# KiCad board dueottosei.kicad_pcb (continued)
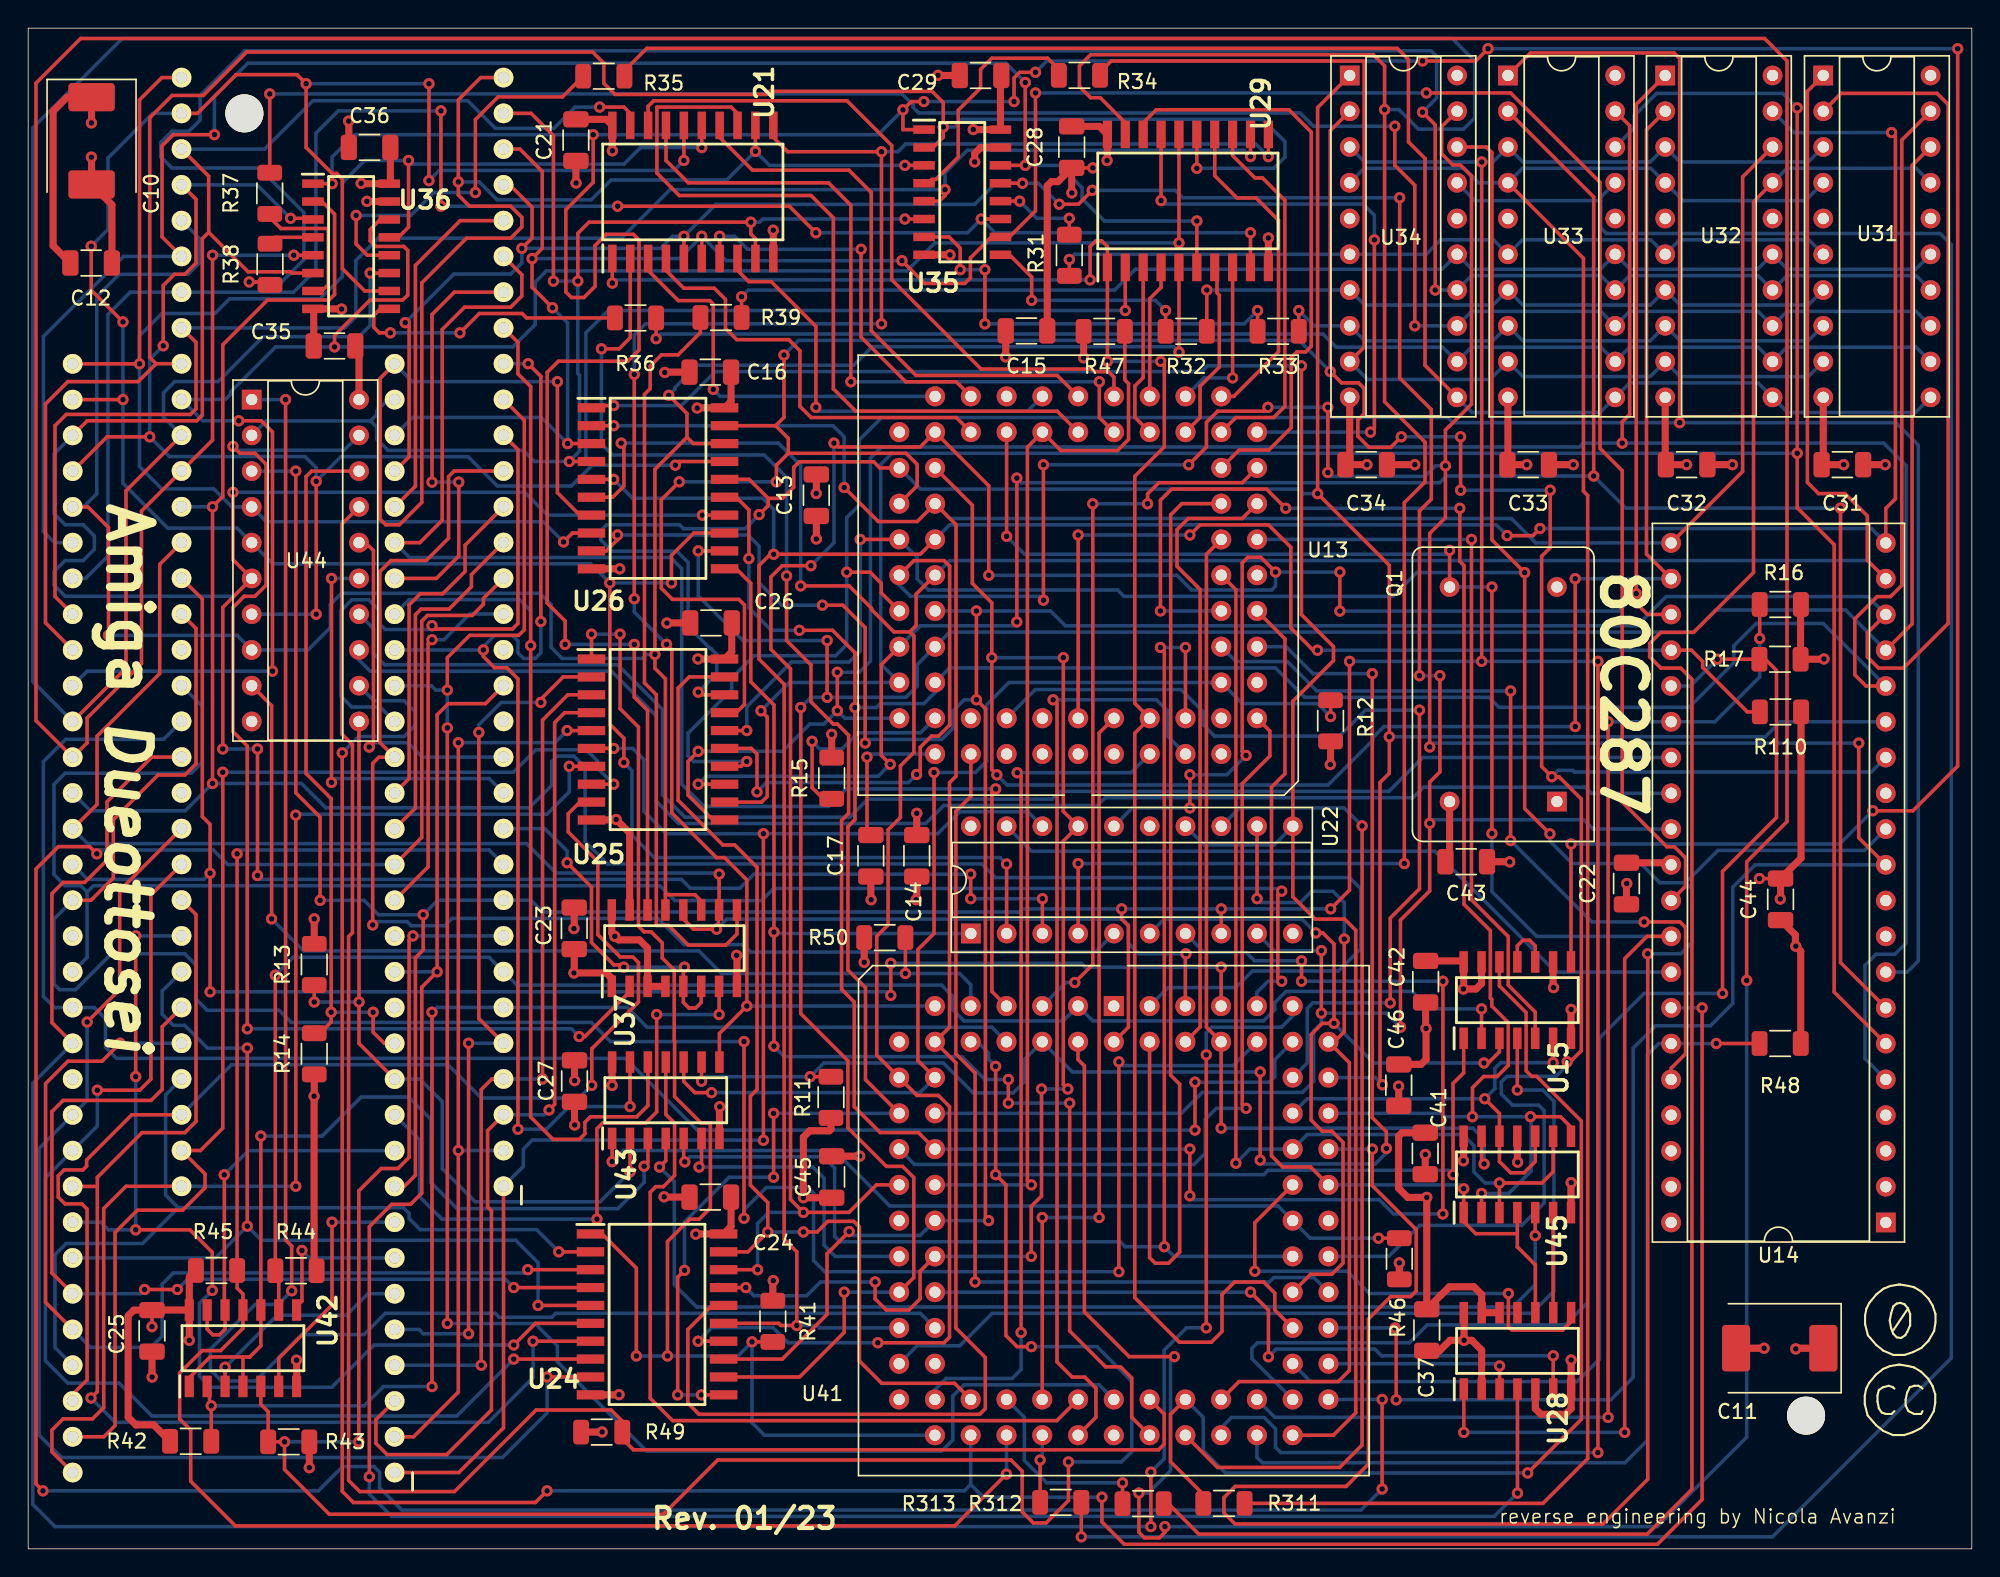
[diagram p0: board, top side]
## Routing (per net, layer and track width the routed paths; a pad name or vN(x,y) marks a point on that pad's centre or on a via; arc(x,y) is an arc through that point) (continued)
P65: length 60.7
  Top w0.25: v1(41.46,27.5) U43.1 ; v1(95.87,22.06) R46.2
  Bottom w0.25: v1(41.46,27.5) 42.25,28.29 57.61,28.29 58.01,27.89 58.01,27.52 61.18,24.35 88.74,24.35 U41.65 91.03,22.06 v1(95.87,22.06)
P67: length 33.7
  Top w0.25: v1(87.09,19.72) 87.09,23.16 U41.67 ; U28.8 109.55,16.13 108.95,15.54 105.35,15.54 105.1,15.79 v1(105.1,18.13)
  Bottom w0.25: v1(87.09,19.72) 93.65,19.72 95.23,18.13 v1(105.1,18.13)
P71: length 32.4
  Top w0.25: v1(108.27,34.53) U15.6 ; U45.10 107,27.5 106.21,26.71 105.25,26.71 104.46,27.5 U45.12 104.46,30.92 v1(103.42,31.97)
  Bottom w0.25: v1(108.27,34.53) 104.54,34.53 104.14,34.13 104.14,32.69 v1(103.42,31.97) 90.82,31.97 U41.71
Z_A1: length 225.4
  Top w0.25: v1(97.43,37.05) 97.43,44.65 99.51,46.73 v1(99.51,51.53) 99.51,54.46 100.23,55.18 v1(100.23,62.01) ; v1(75.55,96.48) 74.57,95.5 v1(73.21,95.5) ; J2.29 34.19,96.87 35.78,95.28 35.78,93.08 v1(35.05,92.36) ; v1(91.82,38.05) v1(91.82,42.49) ; v1(70.59,96.98) U35.13 ; v1(98.78,62.01) 98.78,73.71 99.63,74.55 99.63,80.91 97.38,83.16 v1(97.38,95.96) ; v1(26.77,87.09) 27.05,86.81 27.05,77.57 J1.29 ; v1(46.56,93.22) U21.5
  Bottom w0.25: U41.17 81.87,30.93 83.36,32.42 90.47,32.42 91.27,33.21 91.27,36.77 91.82,37.32 v1(91.82,38.05) 96.43,38.05 v1(97.43,37.05) ; U22.9 88.46,42.49 v1(91.82,42.49) ; v1(26.77,87.09) 30.22,90.54 34.26,90.54 35.05,91.33 v1(35.05,92.36) 44.89,92.36 45.76,93.22 v1(46.56,93.22) 48.82,95.49 67.2,95.49 68.69,96.98 v1(70.59,96.98) 71.72,96.98 v1(73.21,95.5) ; v1(75.55,96.48) 81.44,96.48 81.97,95.96 v1(97.38,95.96) ; v1(98.78,62.01) v1(100.23,62.01) ; v1(99.51,51.53) 99.77,51.79 110.44,51.79 111.1,51.12 U14.29
Z_A2: length 187
  Top w0.25: v1(71.52,103.4) 71.52,95.02 69.67,93.17 U35.10 68.39,93.17 66.9,91.68 66.9,90.27 66.5,89.87 63.65,89.87 v1(62.04,91.49) ; v1(99.27,103.4) 105.25,103.4 111.6,97.05 111.6,78.15 113.18,76.57 113.18,53.04 116.35,49.86 116.88,49.86 117.68,49.07 117.68,47.07 U14.31 ; v1(37.23,88.15) 35.78,89.6 v1(35.78,91.63) 36.5,92.36 36.5,97.82 34.91,99.41 J2.30 ; v1(47.82,93.22) U21.6 ; v1(38.3,78.5) 40,78.5
  Bottom w0.25: v1(35.78,91.63) 46.24,91.63 v1(47.82,93.22) 49.56,91.49 v1(62.04,91.49) ; v1(99.27,103.4) v1(71.52,103.4) ; J1.30 27.3,80.36 36.44,80.36 v1(38.3,78.5) 38.3,87.07 v1(37.23,88.15)
Z_A3: length 89.3
  Top w0.25: v1(37.29,90.04) 37.29,100.36 35.71,101.95 J2.31 ; v1(39.03,90.04) 39.03,93.43 39.82,94.22 v1(51.31,94.22) 51.31,93.38 51.63,93.06 U21.9 ; v1(62.25,94.44) U35.6 ; v1(38.42,77.22) U26.4
  Bottom w0.25: 24.3,80.11 16.9,80.11 U44.2 ; 24.3,80.11 24.75,80.56 24.75,80.83 25.55,81.62 J1.31 ; 24.3,80.11 24.75,79.66 24.75,78.81 25.55,78.02 35.15,78.02 35.94,77.22 v1(38.42,77.22) 39.14,77.95 39.14,83.35 39.03,83.47 v1(39.03,90.04) v1(37.29,90.04) ; v1(51.31,94.22) 51.92,94.22 52.15,94.44 v1(62.25,94.44)
Z_A4: length 116.4
  Top w0.25: 40,73.42 39.17,73.42 37.58,75.01 v1(37.58,82.9) ; J1.32 24.99,83.13 24.99,73.13 25.38,72.73 26.36,72.73 27.95,74.32 27.95,89.91 31.12,93.08 34.26,93.08 35.05,93.88 35.05,94.56 34.26,95.36 31.34,95.36 30.54,96.15 v1(30.54,97.08) 30.54,102.9 32.13,104.49 J2.32 ; v1(62.25,98.25) U35.3 ; v1(51.63,99.26) U21.12
  Bottom w0.25: v1(30.54,97.08) 32.02,97.08 33.3,95.81 39.97,95.81 41.38,97.21 49.59,97.21 v1(51.63,99.26) 52.64,98.25 v1(62.25,98.25) ; J1.32 27.28,82.9 v1(37.58,82.9)
Z_A5: length 128.5
  Top w0.25: v1(38.01,71.51) 38.64,72.14 U26.8 ; v1(47.82,99.52) U21.15 ; v1(27,98.6) 27,93.87 26.28,93.15 U36.13 ; J1.33 v1(7.91,84.16) 7.91,102.9 9.49,104.49 J2.33
  Bottom w0.25: v1(47.82,99.52) 43.48,99.52 42.3,98.35 27.26,98.35 v1(27,98.6) 23.89,98.6 22.31,97.02 22.31,90.36 20.72,88.78 14.3,88.78 13.26,87.74 9.49,87.74 7.91,86.15 v1(7.91,84.16) 7.91,76.87 9.49,75.28 13.18,75.28 14.46,74 U44.4 16.92,72.95 36.57,72.95 v1(38.01,71.51)
Z_A6: length 199.3
  Top w0.25: v1(4.48,92.52) 4.48,89.39 v1(6.73,87.14) ; v1(41.3,68.6) 41.3,58.57 42.3,57.57 v1(42.3,55.84) ; J2.34 12.02,101.95 14.76,104.7 19.09,104.7 v1(19.73,104.05) 19.73,99.53 21.58,97.68 21.91,97.68 22.31,97.28 22.31,90.92 23.89,89.34 U36.10 ; v1(46.56,98.6) U21.16 ; v1(45.68,68.6) 45.68,70.56 47.26,72.14 U26.13 ; v1(6.73,81.62) J1.34 ; v1(28.45,104.05) v1(28.45,97.17) ; v1(69.47,48.63) U22.2
  Bottom w0.25: v1(28.45,97.17) 29.18,97.9 45.85,97.9 v1(46.56,98.6) ; v1(42.3,55.84) 42.87,55.27 42.87,50.68 44.46,49.09 69.01,49.09 v1(69.47,48.63) ; v1(45.68,68.6) v1(41.3,68.6) 39.94,69.96 17.37,69.96 U44.5 14.83,72.5 9.9,72.5 6.73,75.67 v1(6.73,81.62) v1(6.73,87.14) ; J2.34 8.84,101.95 5.67,98.78 5.67,93.7 v1(4.48,92.52) ; v1(19.73,104.05) v1(28.45,104.05)
Z_A7: length 231.4
  Top w0.25: v1(66.92,47.92) v1(66.92,46.18) ; J2.35 12.82,97.48 12.82,93.5 ; 12.82,93.5 15.62,90.7 18.64,90.7 18.74,90.6 U36.6 ; 12.82,93.5 12.37,93.05 12.37,80.51 11.97,80.12 4.2,80.12 J1.35 ; v1(14.54,75.04) 14.54,70.25 U44.6 13.82,66.87 v1(13.82,56.81) ; v1(16.28,56.81) v1(16.28,47.82) ; v1(72.01,46.18) U22.3 ; U21.19 42.75,101.95 42.3,102.4 v1(40.57,102.4) ; v1(47.87,73.42) 49.44,73.42
  Bottom w0.25: v1(40.57,102.4) 38.83,102.4 37.33,100.89 33.17,100.89 31.21,102.85 20.22,102.85 16.78,99.41 J2.35 ; v1(14.54,75.04) 35.25,75.04 36.87,73.42 v1(47.87,73.42) ; v1(66.92,47.92) 51.53,47.92 50.53,46.92 47,46.92 46.38,47.55 16.56,47.55 v1(16.28,47.82) ; v1(13.82,56.81) v1(16.28,56.81) ; J1.35 1.83,77.75 1.83,73.52 2.63,72.73 3.91,72.73 4.7,71.94 4.7,70.98 3.91,70.19 2.63,70.19 1.83,69.4 1.83,68.45 2.63,67.66 14.61,67.66 U44.6 ; v1(66.92,46.18) v1(72.01,46.18)
Z_A8: length 147.5
  Top w0.25: v1(77.9,87.95) U29.2 ; J2.36 11.92,95.84 11.92,91.31 11.12,90.52 10.38,90.52 9.59,89.73 v1(9.59,85.44) ; v1(45.95,76.96) 46.21,77.22 U26.17 ; v1(8.63,78.98) 5.6,78.98 J1.36 ; v1(18.63,94.5) 19.85,94.5 19.93,94.41 U36.3 ; v1(20.45,75.81) v1(20.45,66.38)
  Bottom w0.25: v1(77.9,87.95) 41.18,87.95 39.6,86.36 39.6,77.41 40.05,76.96 ; 40.05,76.96 v1(45.95,76.96) ; 40.05,76.96 38.57,75.49 33.31,75.49 31.23,77.57 22.2,77.57 v1(20.45,75.81) 20.45,76.78 19.66,77.58 10.03,77.58 v1(8.63,78.98) 8.63,84.48 v1(9.59,85.44) ; v1(20.45,66.38) U44.7 ; J2.36 16.25,96.87 v1(18.63,94.5)
Z_A9: length 172.8
  Top w0.25: J1.37 4.24,74 5.7,72.54 v1(5.7,64.88) ; U37.11 47.78,46.01 47.34,46.46 45.25,46.46 ; 45.25,46.46 U37.13 ; 45.25,46.46 45.25,61.79 44.5,62.53 v1(44.5,63.52) 44.5,76.67 46.77,78.95 ; 46.77,78.95 47.22,78.5 49.44,78.5 ; 46.77,78.95 46.77,80.63 v1(45.48,81.92) ; v1(81.71,85) U29.5
  Bottom w0.25: J2.37 12.14,93.08 12.14,91.31 11.35,90.52 6.46,90.52 4.87,88.93 4.87,74.93 3.94,74 J1.37 ; v1(81.71,85) 81.33,85.38 59.93,85.38 58.62,84.06 47.51,84.06 45.93,82.47 45.93,82.36 v1(45.48,81.92) ; v1(44.5,63.52) 43.9,63.52 43.62,63.24 37.92,63.24 37.13,64.03 37.13,67.07 36.33,67.87 22.25,67.87 21.45,67.07 21.45,65.43 19.87,63.84 U44.8 14.83,64.88 v1(5.7,64.88)
Z_A10: length 128
  Top w0.25: v1(82.97,94.31) U29.6 ; v1(13.22,100.44) 10.3,100.44 9.5,99.64 9.5,93.18 J2.38 ; U35.14 v1(70.79,98.25) v1(70.79,104.14)
  Bottom w0.25: J2.38 6.77,91.79 1.08,86.1 1.08,72.25 1.87,71.46 J1.38 ; v1(70.79,104.14) 69.42,105.52 15.6,105.52 13.22,103.14 v1(13.22,100.44) ; v1(70.79,98.25) 73.24,98.25 74.83,96.67 74.83,95.89 76.41,94.31 v1(82.97,94.31)
Z_A11: length 125.3
  Top w0.25: v1(55.93,93.47) 54.04,95.36 v1(41.85,95.36) ; v1(67.67,94.44) U35.11 ; v1(29.31,102.13) v1(29.31,95.36) ; v1(86.78,93.47) U29.9
  Bottom w0.25: v1(55.93,93.47) 66.69,93.47 v1(67.67,94.44) 68.64,93.47 v1(86.78,93.47) ; J1.39 4.08,68.92 5.66,70.51 5.66,87.66 7.25,89.25 J2.39 18.84,89.25 20.43,90.84 20.43,100.54 22.02,102.13 v1(29.31,102.13) ; v1(29.31,95.36) v1(41.85,95.36)
Z_A12: length 118.6
  Top w0.25: v1(86.78,98.88) U29.12 ; J1.40 1.91,67.63 1.91,79.77 2.7,80.57 11.52,80.57 11.92,80.96 11.92,85.68 J2.40 ; v1(65.1,96.53) 65.1,96.12 64.7,95.72 U35.5
  Bottom w0.25: J2.40 22.47,86.71 23.26,87.5 23.26,91.5 24.85,93.08 42.12,93.08 45.57,96.53 v1(65.1,96.53) 65.1,97.74 66.68,99.33 86.34,99.33 v1(86.78,98.88)
Z_A13: length 146.9
  Top w0.25: v1(82.97,98.05) U29.15 ; U35.2 64.25,99.53 64.97,100.25 v1(64.97,100.98) 64.97,102.72 64.18,103.51 52.63,103.51 52.41,103.3 41.66,103.3 40.87,104.09 40.87,105.51 40.08,106.3 15.51,106.3 12.43,103.22 10.22,103.22 8.63,101.63 8.63,84.62 9.08,84.17 ; 9.08,84.17 J2.41 ; 9.08,84.17 7.81,82.9 2.82,82.9 1.23,81.31 1.23,65.77 J1.41
  Bottom w0.25: v1(82.97,98.05) 88.44,98.05 89.23,98.84 89.23,99.94 87.64,101.53 66.31,101.53 65.76,100.98 v1(64.97,100.98)
Z_A14: length 139.8
  Top w0.25: v1(81.71,92.75) U29.16 ; v1(14.95,80.12) 16.55,80.12 17.35,79.32 v1(17.35,62.34) ; v1(21.75,85.36) 21.75,86.17 24.27,88.69 26.59,88.69 26.95,89.05 26.95,92.22 26.67,92.5 24.68,92.5 24.28,92.9 24.28,93.69 25,94.41 U36.14
  Bottom w0.25: v1(17.35,62.34) 4.2,62.34 J1.42 ; v1(81.71,92.75) 64.38,92.75 62.39,90.76 36.79,90.76 36,89.97 36,86.95 34.41,85.36 v1(21.75,85.36) 17.57,85.36 14.39,82.19 14.39,82.03 14,81.63 J2.42 12.4,80.12 v1(14.95,80.12)
Z_A15: length 324.7
  Top w0.25: v1(24.28,90.6) U36.11 ; v1(97.71,48.67) 97.71,74.3 99.18,75.77 99.18,78.6 96.31,81.47 v1(96.31,102.22) 96.31,105.32 95.51,106.12 75.43,106.12 74.64,105.32 74.64,103.86 75.43,103.06 76.11,103.06 77.9,101.28 U29.19 ; J2.43 6.95,75.15 6.95,62.55 J1.43 ; v1(74.55,48.67) U22.4
  Bottom w0.25: J2.43 9.61,80.37 9.61,82.11 10.4,82.9 13.48,82.9 16.67,86.09 23.49,86.09 24.28,86.88 v1(24.28,90.6) ; v1(96.31,102.22) 97.32,102.22 98.71,100.83 101.91,100.83 102.7,101.62 102.7,105.67 101.11,107.26 6.68,107.26 0.33,100.91 0.33,61.59 J1.43 ; v1(97.71,48.67) v1(74.55,48.67)
Z_A16: length 408.6
  Top w0.25: v1(18.86,91.88) U36.5 ; v1(78.86,3.96) 78.86,1.17 79.26,0.78 80.31,0.78 80.71,1.18 v1(80.71,1.58) ; v1(81.38,13.65) 78.17,13.65 74.99,16.83 74.99,34.3 74.54,34.75 U41.4 ; v1(13.09,91.88) 13.09,78.75 J2.44 8.05,73.71 8.05,62.87 4.19,59.01 4.19,57.25 J1.44 0.55,58.83 0.55,104.09 3.73,107.27 123.29,107.27 124.88,105.68 124.88,51.65 122.01,48.79 v1(122.01,40.37)
  Bottom w0.25: v1(81.38,13.65) 81.11,13.38 81.11,5.55 79.52,3.96 v1(78.86,3.96) ; v1(122.01,40.37) 122.01,7.93 115.66,1.58 v1(80.71,1.58) ; v1(13.09,91.88) v1(18.86,91.88)
Z_A17: length 174.6
  Top w0.25: v1(13.09,54.36) v1(13.09,74.01) 13.82,74.74 13.82,85.52 16.99,88.69 21.36,88.69 21.76,89.09 21.76,94.79 20.86,95.69 U36.2
  Bottom w0.25: v1(13.09,74.01) J2.45 ; J1.45 4.42,52.42 11.15,52.42 v1(13.09,54.36) 19.4,54.36 21.14,52.63 35.58,52.63 37.16,54.21 37.16,55.9 37.56,56.3 38.75,56.3 39.54,55.51 39.54,50.23 41.13,48.64 67.71,48.64 68.68,47.67 93.82,47.67 94.62,46.88 94.62,42.62 93.03,41.04 86.92,41.04 85.75,39.86 80.93,39.86 U41.83
Z_A18: length 117.2
  Top w0.25: U37.12 46.51,44.73 47.24,44.01 v1(48.88,44.01) 49,44.13 49,45.04 49.06,45.09 U37.10 v1(49.06,47.92) ; U41.81 82.16,42.22 v1(82.2,42.26) ; J2.46 9.34,69.92 9.34,62.16 4.89,57.72 4.89,52.87 J1.46
  Bottom w0.25: J1.46 4.21,50.09 35.39,50.09 37.48,48 48.98,48 v1(49.06,47.92) ; v1(48.88,44.01) 49.6,44.73 77.72,44.73 78.12,44.33 78.12,43.01 78.86,42.26 v1(82.2,42.26)
Z_A19: length 117.6
  Top w0.25: v1(61.24,39.31) v1(61.24,41.59) ; v1(12.92,39.56) v1(12.92,47.98) 12.92,51.45 12.37,52 12.37,67.45 J2.47 ; v1(84.7,41.31) U41.79
  Bottom w0.25: v1(12.92,47.98) 12.48,47.55 4.21,47.55 J1.47 ; v1(12.92,39.56) 61,39.56 v1(61.24,39.31) ; v1(84.7,41.31) 75.05,41.31 74.77,41.59 v1(61.24,41.59)
Z_A20: length 158.2
  Top w0.25: J2.48 11.92,65.36 11.92,55.75 11.12,54.96 9.22,54.96 6.05,51.78 6.05,47.65 4.46,46.06 J1.48 ; v1(77.44,19.68) v1(77.44,34.59) ; v1(50.83,36.03) v1(50.83,23.48)
  Bottom w0.25: v1(50.83,36.03) 41.34,36.03 39.98,37.39 18.69,37.39 17.82,38.25 12.71,38.25 11.92,39.04 11.92,41.47 11.12,42.26 5.91,42.26 3.36,39.71 2.23,39.71 1.83,40.11 1.83,44.73 J1.48 ; U41.78 85.55,34.32 77.71,34.32 v1(77.44,34.59) ; v1(50.83,23.48) 50.83,24.08 52.41,25.67 55.37,25.67 55.77,25.27 55.77,20.47 56.56,19.68 v1(77.44,19.68)
Z_A21: length 128.2
  Top w0.25: v1(89,46.71) 88.73,46.44 88.73,40.59 v1(89,40.31)
  Bottom w0.25: U41.77 87.24,39.52 88.03,40.31 v1(89,40.31) ; 4.19,46.64 3.73,47.1 2.63,47.1 1.83,47.89 1.83,54.29 2.63,55.08 11.57,55.08 12.37,55.88 12.37,59.83 J2.50 ; 4.19,46.64 4.19,42.01 J1.50 ; 4.19,46.64 4.64,47.1 44.85,47.1 45.91,46.04 52.07,46.04 52.93,46.9 88.81,46.9 v1(89,46.71)
Z_A22: length 126.8
  Top w0.25: v1(82.84,29.74) v1(82.84,33.14)
  Bottom w0.25: U41.76 88.51,34.74 88.51,33.54 88.11,33.14 v1(82.84,33.14) ; J2.51 9.61,57.5 2.67,57.5 1.08,55.91 1.08,39.23 1.87,38.44 J1.51 4.7,38.44 5.49,37.65 5.49,35.63 6.28,34.84 42.41,34.84 47.5,29.74 v1(82.84,29.74)
Z_A23: length 185.7
  Top w0.25: v1(79.71,1.58) v1(79.71,5.45) ; J2.52 8.77,56.23 5.6,53.06 5.6,48.92 4.01,47.33 2.48,47.33 1.68,46.54 1.68,37.38 J1.52 ; v1(83.65,15.7) v1(83.65,35.08)
  Bottom w0.25: U41.75 89.78,37.84 88.99,37.05 84.04,37.05 83.65,36.65 v1(83.65,35.08) ; J1.52 0.33,33.07 0.33,3.17 1.91,1.58 v1(79.71,1.58) ; v1(83.65,15.7) 82.24,15.7 80.66,14.11 80.66,6.39 v1(79.71,5.45)
Z_CLK: length 157
  Top w0.25: v1(105.74,3.96) U28.4 ; v1(24.22,5.12) 24.22,22.88 25.81,24.47 27.15,24.47 27.95,25.26 27.95,39.89 v1(29.03,40.98) 29.03,59.24 29.83,60.03 32.47,60.03 J2.15
  Bottom w0.25: v1(105.74,3.96) 104.09,2.3 25.81,2.3 24.22,3.89 v1(24.22,5.12) ; v1(29.03,40.98) J1.15
Z_D0: length 61.4
  Top w0.25: v1(32,57.98) 32,37.66 J2.5 ; v1(36.4,60.11) 36.4,60.34 37.99,61.92 40,61.92 ; v1(31.27,35.91) v1(31.27,15.28)
  Bottom w0.25: v1(31.27,15.28) 28.05,15.28 27.75,15.58 J1.5 ; J2.5 v1(31.27,35.91) ; v1(32,57.98) 32,58.52 33.58,60.11 v1(36.4,60.11)
Z_D1: length 60.2
  Top w0.25: U25.3 38.31,60.66 36.52,58.86 v1(36.52,33.37) ; J2.4 32.92,33.37 32.17,32.62 v1(32.17,13.04)
  Bottom w0.25: 36.58,33.43 v1(36.52,33.37) J2.4 ; v1(32.17,13.04) J1.4
Z_D2: length 68.9
  Top w0.25: v1(36.98,31.17) 37.38,31.57 37.38,58.68 38.08,59.39 U25.4 ; J2.3 32.62,29.7 32.62,24.29 32.89,24.01 32.89,9.87 29.72,6.69 25.49,6.69 24.69,7.49 24.69,9.17 J1.3
  Bottom w0.25: J2.3 36.64,30.83 v1(36.98,31.17)
Z_D3: length 65
  Top w0.25: v1(38.27,58.11) U25.5 ; J1.2 27.37,7.96 30.54,11.13 v1(30.54,28.29) v1(30.54,57.26)
  Bottom w0.25: v1(30.54,57.26) 37.41,57.26 v1(38.27,58.11) ; v1(30.54,28.29) J2.2
Z_D4: length 106.3
  Top w0.25: v1(41.57,56.84) U25.6 ; J2.1 33.75,8.59 30.58,5.42 J1.1 ; v1(52.2,50.79) v1(52.2,29.02)
  Bottom w0.25: v1(41.57,56.84) 42.92,56.84 43.71,56.05 43.71,52.38 45.3,50.79 v1(52.2,50.79) 64.58,50.79 66.14,52.35 70.98,52.35 U22.18 ; v1(52.2,29.02) 52.19,29.03 35.8,29.03 35.16,28.39 35.16,27.16 J2.1
Z_D5: length 86.2
  Top w0.25: v1(19,25.75) v1(19,52.11) ; J1.64 1.68,6.9 1.68,8.44 2.48,9.23 4.57,9.23 5.36,10.02 5.36,24.16 6.95,25.75 J2.64 ; v1(38.42,55.58) U25.7
  Bottom w0.25: v1(38.42,55.58) 38.42,53.76 36.83,52.18 19.07,52.18 v1(19,52.11) ; J2.64 v1(19,25.75)
Z_D6: length 88.2
  Top w0.25: v1(41.57,54.31) U25.8 ; v1(13.82,55.16) 13.82,29.88 12.23,28.29 J2.63 12.56,26.62 12.56,25.64 10.97,24.05 7.76,24.05 6.17,22.47 6.17,8.75 5.37,7.96 J1.63
  Bottom w0.25: v1(13.82,55.16) 34.45,55.16 36.04,56.75 39.62,56.75 40.42,55.96 40.42,55.46 v1(41.57,54.31)
Z_D7: length 86
  Top w0.25: U25.9 39.17,53.03 38.34,52.21 38.34,50.91 40.45,48.81 40.45,43.62 42.03,42.04 42.93,42.04 43.33,41.64 43.33,38.83 40.02,35.52 v1(40.02,32.92) ; J2.62 7.36,30.83 4.15,27.62 4.15,27.18 3.88,26.91 2.55,26.91 2.13,26.49 2.13,24.98 2.61,24.5 3.81,24.5 4.19,24.12 4.19,12 3.16,10.98 J1.62
  Bottom w0.25: J2.62 14.45,34.39 29.81,34.39 32.18,32.02 39.11,32.02 v1(40.02,32.92)
Z_D8: length 59.3
  Top w0.25: v1(37.67,21.09) 39.92,21.09
  Bottom w0.25: J2.61 9.76,32.24 9.76,25.13 10.66,24.23 ; J1.61 1.91,14.29 1.91,20.89 2.7,21.69 8.12,21.69 10.66,24.23 ; v1(37.67,21.09) 36.1,22.67 27.84,22.67 27.05,23.46 27.05,23.83 26.65,24.23 10.66,24.23
Z_D9: length 70.8
  Top w0.25: J1.60 1.23,17.51 1.23,33.04 2.82,34.63 5.24,34.63 v1(6.52,35.91) ; v1(35.48,19.83) 39.92,19.83
  Bottom w0.25: v1(35.48,19.83) 35.25,19.6 10.31,19.6 9.52,18.8 9.52,15.1 8.72,14.31 4.43,14.31 J1.60 ; v1(6.52,35.91) J2.60
Z_D10: length 65.8
  Top w0.25: J2.59 9.52,37.08 9.52,32.64 8.72,31.85 2.48,31.85 1.68,31.05 1.68,19.6 J1.59 ; v1(34.48,18.56) 39.92,18.56 ; v1(8.27,18.42) v1(10.59,18.42)
  Bottom w0.25: v1(34.48,18.56) 33.89,19.15 11.31,19.15 v1(10.59,18.42) ; v1(8.27,18.42) 7.97,18.12 J1.59
Z_D11: length 65.1
  Top w0.25: v1(15.56,22.92) v1(15.56,35.56) ; v1(36.2,17.28) 39.92,17.28
  Bottom w0.25: J2.58 9.51,39.61 9.51,37.97 10.31,37.18 11.11,37.18 12.72,35.56 v1(15.56,35.56) ; J1.58 13.3,20.66 v1(15.56,22.92) 16.56,21.92 34.61,21.92 36.2,20.33 v1(36.2,17.28)
Z_D12: length 74.1
  Top w0.25: 39.92,16.01 36.02,16.01 v1(34.48,14.48) ; v1(7.63,22.66) 11.48,22.66 13.07,21.07 v1(13.07,18.35) ; v1(7.63,33.54) v1(7.63,43.53)
  Bottom w0.25: v1(13.07,18.35) 12.17,17.45 12.17,12.27 12.96,11.47 21.55,11.47 24.55,14.48 v1(34.48,14.48) ; J1.57 5.16,23.2 5.7,22.66 v1(7.63,22.66) v1(7.63,33.54) ; v1(7.63,43.53) J2.57
Z_D13: length 82.5
  Top w0.25: v1(4.46,10.71) 4.91,11.16 4.91,25.74 ; 4.91,25.74 J1.56 ; 4.91,25.74 4.91,26.39 8.09,29.56 11.12,29.56 11.92,30.35 11.92,45.04 J2.56 ; v1(35.85,14.75) 39.92,14.75
  Bottom w0.25: v1(35.85,14.75) 35.85,12.16 32.67,8.99 6.19,8.99 v1(4.46,10.71)
Z_D14: length 83
  Top w0.25: v1(4.91,32.57) 7.92,32.57 8.71,33.36 8.71,46.43 J2.55 ; v1(34.48,13.47) 39.92,13.47
  Bottom w0.25: v1(34.48,13.47) 30.44,9.44 8.79,9.44 6.46,11.77 2.81,11.77 1.23,13.36 1.23,26.35 J1.55 4.91,30.03 v1(4.91,32.57)
Z_D15: length 90.9
  Top w0.25: J2.54 6.5,46.76 6.5,39.73 v1(4.19,37.41) ; v1(36.85,12.21) 39.92,12.21
  Bottom w0.25: v1(36.85,12.21) 36.85,9.66 33.67,6.49 2.36,6.49 0.78,8.07 0.78,28.44 J1.54 4.19,31.85 v1(4.19,37.41)
Z_E: length 24.5
  Top w0.25: J2.20 31.02,71.28 31.02,69.42 29.43,67.83 27.84,67.83 27.05,67.04 27.05,54.71 J1.20
Z_FC0: length 25.3
  Top w0.25: J2.28 30.67,94.33 27.5,91.16 27.5,75.48 J1.28
Z_FC1: length 103.4
  Top w0.25: U41.7 68.42,39.59 68.42,53.7 v1(68.69,53.97) ; J1.27 27.81,71.46 29.4,73.05 29.4,86.6 30.98,88.19 34.26,88.19 35.05,88.98 35.05,90.49 J2.27
  Bottom w0.25: J1.27 27.07,70.41 45.61,70.41 46.4,69.61 46.4,54.31 47.99,52.72 56.83,52.72 58.07,53.97 v1(68.69,53.97)
Z_FC2: length 30
  Top w0.25: J1.26 28.98,68.92 30.57,70.51 v1(30.57,75.76) ; v1(28.67,75.76) 28.67,87.66 30.26,89.25 J2.26
  Bottom w0.25: v1(28.67,75.76) v1(30.57,75.76)
Z_R~{W}: length 332.8
  Top w0.25: v1(93.82,63.03) 93.82,46.79 v1(92.48,45.45) ; v1(84.71,45.45) U22.8 ; v1(20.72,46.06) 20.72,51.97 19,53.69 v1(19,76.54) ; v1(77.63,45.45) 77.63,44.73 78.12,44.24 78.12,37.05 U41.2 ; v1(28.05,45.03) 28.05,42.53 27.5,41.98 27.5,26.53 26.7,25.74 J1.9 ; v1(111.45,63.03) v1(111.45,6.84) ; v1(103.2,98.5) v1(103.2,63.03)
  Bottom w0.25: U41.49 84.7,8.59 85.44,9.33 87.76,9.33 88.56,8.53 88.56,7.21 88.93,6.84 v1(111.45,6.84) ; v1(93.82,63.03) v1(103.2,63.03) v1(111.45,63.03) ; U34.3 94.89,98.5 v1(103.2,98.5) 104,98.5 U33.3 106.12,98.5 115.17,98.5 U32.3 117.29,98.5 126.39,98.5 U31.3 ; v1(92.48,45.45) v1(84.71,45.45) v1(77.63,45.45) 70.58,45.45 70.35,45.23 36.54,45.23 35.69,46.07 J2.9 29.08,46.07 v1(28.05,45.03) 24.88,45.03 23.86,46.06 v1(20.72,46.06) ; v1(19,76.54) U44.3
Z_~{AS}: length 15.6
  Top w0.25: v1(13.98,12.9) U42.3
  Bottom w0.25: J1.6 24.12,18.12 22.59,16.59 17.67,16.59 v1(13.98,12.9)
Z_~{BERR}: length 39.1
  Top w0.25: v1(28.67,65.57) 28.91,65.33 34.38,65.33 34.78,65.72 34.78,78.06 J2.22
  Bottom w0.25: J1.22 24.99,59.79 22.98,59.79 22.19,60.58 22.19,66.61 22.98,67.41 24.17,67.41 24.97,66.61 24.97,65.69 25.36,65.29 28.4,65.29 v1(28.67,65.57)
Z_~{BGACK}: length 57.2
  Top w0.25: J1.12 23.49,35.89 v1(23.49,38.84) U44.11 ; v1(42.73,26.78) U43.2 ; v1(20.31,38.84) R13.2
  Bottom w0.25: v1(42.73,26.78) 40.6,24.65 31.74,24.65 29.4,26.99 29.4,31.77 27.81,33.36 J1.12 ; v1(23.49,38.84) v1(20.31,38.84)
Z_~{BG}: length 44.3
  Top w0.25: v1(49.06,37.95) U37.7 ; v1(40.38,23.42) 40.38,29.84 40.78,30.24 43.83,30.24 44.63,31.03 v1(44.63,37.95)
  Bottom w0.25: v1(40.38,23.42) 29.38,23.42 27.79,25.01 27.79,29.05 J1.11 ; v1(44.63,37.95) v1(49.06,37.95)
Z_~{BR}: length 51.2
  Top w0.25: U44.18 20.12,76.54 19.72,76.14 19.72,55.07 21.51,53.28 v1(21.51,38.11) 21.51,37.42 20.72,36.62 R14.2 ; v1(24.49,38.11) 24.49,36.69 25.28,35.9 J1.13
  Bottom w0.25: v1(21.51,38.11) v1(24.49,38.11)
Z_~{DTACK}: length 26.8
  Top w0.25: v1(13.92,26.56) 13.93,26.55 13.93,17.01 U42.12 13.98,15.6 13.58,15.2 13.11,15.2 12.71,15.6 U42.13
  Bottom w0.25: v1(13.92,26.56) 15.64,28.28 J1.10
Z_~{HALT}: length 25.4
  Top w0.25: J1.17 28.4,48.44 28.4,64.29 v1(28.67,64.57)
  Bottom w0.25: v1(28.67,64.57) 29.52,64.57 31.35,66.39 J2.17
Z_~{IPL0}: length 83.3
  Top w0.25: J2.25 34.78,85.68 34.78,83.44 35.68,82.54 v1(35.68,64.15) 35.68,30.67 37.26,29.08 39.13,29.08 39.53,29.48 39.53,30.29 39.92,30.69 43.21,30.69 44,31.48 U43.12
  Bottom w0.25: v1(35.68,64.15) 35.68,66.62 34.88,67.42 27.06,67.42 J1.25
Z_~{IPL1}: length 82.3
  Top w0.25: v1(35.5,84.17) 36.4,83.27 v1(36.4,65.86) ; v1(42.73,31.41) U43.13 ; v1(32.32,63.84) 32.32,63.37 33.11,62.58 33.98,62.58 34.78,61.79 v1(34.78,29.8)
  Bottom w0.25: v1(35.5,84.17) J2.24 ; v1(36.4,65.86) 36.4,63.63 36,63.24 35.17,63.24 34.78,63.63 34.78,64.48 34.38,64.88 33.11,64.88 32.32,64.08 v1(32.32,63.84) J1.24 ; v1(34.78,29.8) 36.8,29.8 38.4,31.41 v1(42.73,31.41)
Z_~{IPL2}: length 130.4
  Top w0.25: v1(29.76,60.99) 29.76,63.29 31.35,64.88 34.83,64.88 35.23,65.27 35.23,80.15 J2.23 ; v1(29.76,58.3) v1(29.76,16)
  Bottom w0.25: U41.44 76.04,11.65 66.44,11.65 65.65,10.85 65.65,7.73 64.86,6.94 43.92,6.94 37.57,13.29 37.57,14.41 35.98,16 v1(29.76,16) ; v1(29.76,58.3) v1(29.76,60.99) 28.94,60.99 28.63,61.3 J1.23
Z_~{LDS}: length 17.7
  Top w0.25: v1(21.57,23.2) 21.57,17.32 17.79,13.53 U42.6
  Bottom w0.25: v1(21.57,23.2) J1.8
Z_~{RESET}: length 205.2
  Top w0.25: v1(1.05,4.12) 0.55,4.62 0.55,48.28 2.14,49.87 4.36,49.87 v1(4.87,49.36) ; v1(96.13,4.25) v1(96.13,10.61) ; J2.18 32.32,67.5 32.32,67.08 31.53,66.29 28.34,66.29 27.95,65.89 27.95,50.53 J1.18
  Bottom w0.25: J1.18 14.17,48.6 13.14,49.64 5.15,49.64 v1(4.87,49.36) ; v1(96.13,4.25) 94.63,2.75 26.53,2.75 24.95,4.34 24.95,5.45 24.55,5.85 22.33,5.85 20.61,4.12 v1(1.05,4.12) ; v1(96.13,10.61) U41.54
Z_~{UDS}: length 11.2
  Top w0.25: v1(19.44,21.19) 19.44,17.6 19.06,17.22 U42.8
  Bottom w0.25: v1(19.44,21.19) 19.97,20.66 J1.7
Z_~{VMA}: length 24.7
  Top w0.25: J1.19 27.5,52.62 27.5,66.34 27.89,66.74 29.88,66.74 31.47,68.33 31.47,69.19 J2.19
Z_~{VPA}: length 95.7
  Top w0.25: v1(24.46,44.31) 24.46,55.78 24.9,56.22 J1.21 24.97,57.27 24.97,69.4 25.76,70.19 28.26,70.19 29.85,71.78 29.85,76.15 30.24,76.55 J2.21
  Bottom w0.25: U22.5 75.77,42.38 51.29,42.38 50.76,42.92 46.57,42.92 44.71,44.78 30.09,44.78 29.58,44.26 27.19,44.26 26.9,44.55 24.7,44.55 v1(24.46,44.31)
Net-(C17-Pad1): length 10.6
  Top w0.25: C17.1 59.81,50.69 59.56,50.94 v1(59.56,56.23)
  Bottom w0.25: v1(59.56,56.23) 59.78,56.45 U13.52
Net-(Q1-Pad8): length 132.9
  Top w0.25: v1(69.47,71.91) U13.31 ; v1(113.35,8.27) 113.35,41.91 114.94,43.5 U14.32 ; v1(103.93,50.8) v1(103.93,68.31) ; v1(101.93,8.27) U28.1 ; Q1.8 v1(100.92,70.91)
  Bottom w0.25: v1(69.47,71.91) 70.75,70.64 100.65,70.64 v1(100.92,70.91) ; U14.32 107.1,43.5 103.93,46.67 v1(103.93,50.8) ; Q1.8 v1(103.93,68.31) ; v1(113.35,8.27) v1(101.93,8.27)
Net-(R15-Pad2): length 14.9
  Top w0.25: R15.2 56.45,53.27 55.66,54.06 v1(55.66,57.35)
  Bottom w0.25: v1(55.66,57.35) 56.19,56.81 57.79,56.81 58.93,57.95 63.35,57.95 U13.53
Net-(R31-Pad1): length 57.4
  Top w0.25: v1(73.92,91.57) R31.1
  Bottom w0.25: v1(73.92,91.57) 74.29,91.94 U34.6 99.26,91.94 100.28,92.97 104.03,92.97 U33.6 106.09,92.97 115.2,92.97 U32.6 117.26,92.97 126.42,92.97 U31.6
Net-(R31-Pad2): length 6.6
  Top w0.25: v1(70.39,95.72) U35.12 ; v1(73.92,94.5) R31.2
  Bottom w0.25: v1(73.92,94.5) 71.61,94.5 v1(70.39,95.72)
Net-(R32-Pad1): length 49.3
  Top w0.25: v1(83.68,89.4) R32.1
  Bottom w0.25: U31.7 126.39,88.34 117.29,88.34 U32.7 115.17,88.34 106.12,88.34 U33.7 104,88.34 94.89,88.34 U34.7 v1(83.68,89.4)
Net-(R32-Pad2): length 15.8
  Top w0.25: v1(80.76,87.95) R32.2 ; U35.9 69.67,91.91 71.25,90.33 v1(71.25,88.67)
  Bottom w0.25: v1(71.25,88.67) 80.03,88.67 v1(80.76,87.95)
Net-(R33-Pad1): length 41.8
  Top w0.25: v1(90.21,87.95) R33.1
  Bottom w0.25: U31.8 126.39,85.8 117.29,85.8 U32.8 115.17,85.8 106.12,85.8 U33.8 104,85.8 94.89,85.8 U34.8 91.3,86.86 v1(90.21,87.95)
Net-(R33-Pad2): length 31.3
  Top w0.25: v1(67.93,87) v1(67.93,90.85) ; U35.7 65.38,93.17 66.18,92.38 v1(66.18,90.85) ; v1(87.29,87.95) R33.2
  Bottom w0.25: v1(67.93,87) 86.34,87 v1(87.29,87.95) ; v1(67.93,90.85) v1(66.18,90.85)
Net-(R34-Pad1): length 77.5
  Top w0.25: U34.9 94.86,85.35 94.86,105.67 76.9,105.67 76.1,104.87 R34.1
  Bottom w0.25: U34.9 95.1,83.05 103.79,83.05 U33.9 106.12,83.26 115.17,83.26 U32.9 117.29,83.26 126.39,83.26 U31.9
Net-(R34-Pad2): length 16.7
  Top w0.25: R34.2 73.18,105.07 72.38,105.87 68.41,105.87 67.62,105.07 67.62,103.76 66.04,102.17 66.04,98.84 64.45,97.26 64.16,97.26 63.89,96.98 U35.4
Net-(R35-Pad1): length 28
  Top w0.25: R35.1 37.94,103.12 33.37,103.12 31.75,101.5 v1(31.75,96.33) ; U36.12 24.08,91.88 23.29,92.67 v1(23.29,94.7)
  Bottom w0.25: v1(23.29,94.7) 27.18,94.7 28.8,96.33 v1(31.75,96.33)
Net-(R35-Pad2): length 118.7
  Top w0.25: R35.2 42.33,104.98 43.92,106.57 97.21,106.57 98,105.77 98,99.92 99.18,98.75 99.18,84.05 U34.11
  Bottom w0.25: U31.11 133.99,80.7 124.93,80.7 U32.11 122.82,82.81 113.71,82.81 U33.11 111.6,80.7 102.53,80.7 U34.11
Net-(R36-Pad1): length 20.1
  Top w0.25: v1(30.66,86.36) 32.03,87.74 35.07,87.74 35.38,87.42 R36.1 ; U36.9 25,88.06 24.54,87.6 24.54,86.76 24.93,86.36 v1(25.71,86.36)
  Bottom w0.25: v1(30.66,86.36) v1(25.71,86.36)
Net-(R36-Pad2): length 95.5
  Top w0.25: v1(44.58,85.94) R36.2
  Bottom w0.25: v1(44.58,85.94) 44.91,86.28 91.94,86.28 92.87,85.35 100.42,85.35 U34.12 102.48,85.35 111.65,85.35 U33.12 113.71,85.35 122.82,85.35 U32.12 124.88,85.35 134.04,85.35 U31.12
Net-(R37-Pad1): length 10
  Top w0.25: U36.7 20.86,89.34 21.31,89.78 21.31,93.77 17.94,93.77 17.15,94.56 R37.1
Net-(R37-Pad2): length 140.5
  Top w0.25: v1(17.15,103.33) R37.2 ; v1(97.03,101.04) 97.03,98.26 98.45,96.84 v1(98.45,86.86)
  Bottom w0.25: v1(17.15,103.33) 62.04,103.33 62.84,102.54 62.84,102.37 63.23,101.98 90.31,101.98 91.25,101.04 v1(97.03,101.04) ; v1(98.45,86.86) U34.13 102.48,87.89 111.65,87.89 U33.13 113.71,87.89 122.82,87.89 U32.13 124.88,87.89 134.04,87.89 U31.13
Net-(R38-Pad1): length 3.3
  Top w0.25: U36.4 17.57,93.15 17.17,92.75 R38.1
Net-(R38-Pad2): length 172
  Top w0.25: v1(15.69,89.98) 17.17,89.98 R38.2 ; v1(99,102.04) 99.9,101.13 v1(99.9,89.4)
  Bottom w0.25: U31.14 134.04,90.43 124.88,90.43 U32.14 122.82,90.43 113.71,90.43 U33.14 111.65,90.43 102.48,90.43 U34.14 v1(99.9,89.4) ; v1(99,102.04) 100,103.03 100,106 99.6,106.4 15.38,106.4 12.21,103.22 12.21,101.47 11.41,100.68 10.21,100.68 9.41,99.89 9.41,98.86 10.21,98.07 16.41,98.07 19.58,94.89 19.58,91.56 17.99,89.98 v1(15.69,89.98)
Net-(R39-Pad1): length 54.2
  Top w0.25: U37.9 50.32,43.67 49.53,42.88 46.87,42.88 45.47,44.28 44.6,44.28 44.6,60.66 43.76,61.5 43.76,81.99 44.17,82.4 44.17,84 44.96,84.8 46.14,84.8 47.73,86.38 R39.1
Net-(R39-Pad2): length 89.8
  Top w0.25: v1(50.65,88.93) R39.2
  Bottom w0.25: U31.15 134.01,90.88 124.91,90.88 U32.15 122.79,90.88 113.74,90.88 U33.15 111.62,90.88 102.51,90.88 U34.15 100.39,90.88 78.61,90.88 77.13,89.4 51.12,89.4 v1(50.65,88.93)
Net-(R311-Pad2): length 155
  Top w0.25: R311.2 107.55,3.23 110.73,6.41 110.73,74.81 110.43,75.11 110.43,91.65 U33.4
  Bottom w0.25: U31.4 126.18,95.75 117.5,95.75 U32.4 115.2,98.05 106.09,98.05 U33.4 102.99,97.02 101.96,98.05 94.86,98.05 U34.4
Net-(R312-Pad2): length 151.6
  Top w0.25: U32.17 122.5,95.67 122.5,69.34 118.25,65.09 115.92,65.09 115.13,64.3 115.13,63.34 115.92,62.55 117.33,62.55 118.13,61.76 118.13,4.22 114.95,1.04 83.11,1.04 80.95,3.21 R312.2
  Bottom w0.25: U32.17 124.88,98.05 134.04,98.05 U31.17
Net-(R313-Pad2): length 188.3
  Top w0.25: v1(74.77,0.85) R313.2
  Bottom w0.25: U34.17 102.72,95.75 111.65,95.75 ; v1(74.77,0.85) 123.85,0.85 136.55,13.55 136.55,92.62 135.75,93.42 112.05,93.42 111.65,93.81 111.65,95.75 ; U33.17 111.65,95.99 111.65,95.75
Net-(U15-Pad8): length 294.9
  Top w0.25: v1(63.59,102.79) 62.7,102.79 v1(62.11,102.2) 62.11,100.8 U35.1 ; v1(103.65,106.54) 102.78,105.67 v1(99,105.67) ; v1(71.52,104.87) 70.39,104.87 70,104.47 v1(70,102.79) ; v1(38.13,64.24) 38.13,65.89 36.85,67.17 36.85,83.55 37.64,84.35 42.58,84.35 43.37,85.14 43.37,92.96 42.97,93.36 41.04,93.36 40.25,92.56 40.25,89.66 39.46,88.87 38.57,88.87 38.17,89.27 38.17,95.11 40.12,97.05 v1(40.12,100.44) ; v1(43.03,64.24) 43.03,60.49 43.97,59.55 U37.14 ; v1(21.58,96.95) U36.1 ; v1(130.97,52.42) 133.82,52.42 137,55.6 v1(137,106.54) ; v1(109.54,50.06) U15.8
  Bottom w0.25: v1(38.13,64.24) v1(43.03,64.24) ; v1(62.11,102.2) 60.35,100.44 v1(40.12,100.44) 23.17,100.44 21.58,98.85 v1(21.58,96.95) ; v1(130.97,52.42) 128.61,50.06 v1(109.54,50.06) ; v1(71.52,104.87) 72.32,105.67 v1(99,105.67) ; v1(103.65,106.54) v1(137,106.54) ; v1(63.59,102.79) v1(70,102.79)
Net-(U15-Pad10): length 3.9
  Top w0.25: U15.11 105.73,42.82 106.13,43.22 106.6,43.22 107,42.82 U15.10
Net-(U28-Pad9): length 7.1
  Top w0.25: U45.6 108.27,17.07 108.28,17.06 U28.9
Net-(U37-Pad2): length 83.4
  Top w0.25: v1(15.56,36.94) 15.56,57.02 14.54,58.04 14.54,66.86 15.33,67.65 16.1,67.65 16.9,68.44 16.9,77.02 16.1,77.81 15.03,77.81 v1(14.54,78.3) ; U37.2 42.7,39.56 39.53,36.38 v1(39.12,36.38)
  Bottom w0.25: v1(39.12,36.38) 38.57,36.94 v1(15.56,36.94) ; U44.19 22.44,78.03 14.82,78.03 v1(14.54,78.3)
Net-(U42-Pad1): length 61.9
  Top w0.25: U42.1 11.44,12.15 12.91,13.63 15.25,13.63 ; 15.25,13.63 U42.4 ; 15.25,13.63 15.73,13.63 16.52,14.42 U42.10 v1(16.52,29.32) ; v1(43.73,27.17) 44,27.44 U43.3
  Bottom w0.25: v1(43.73,27.17) 43.73,26.02 41.87,24.16 30.46,24.16 28.59,26.02 28.59,30.5 27.01,32.09 23.65,32.09 20.87,29.32 v1(16.52,29.32)
Net-(U43-Pad4): length 78.6
  Top w0.25: v1(44.83,27.12) 45.27,27.56 U43.4 ; v1(107,22.25) U45.5
  Bottom w0.25: v1(107,22.25) 107,18.76 105.41,17.18 47.46,17.18 45.88,18.76 45.88,26.07 v1(44.83,27.12)

## Copper pours and planes (outline as drawn; the poured copper is in the pictures)
GND on In2.Cu: 137,1 1,1 1,107 137,107
VCC on In1.Cu: 137,1 1,1 1,107 137,107

## Text on the board
F.SilkS: reverse engineering by Nicola Avanzi | Rev. 01/23 | Amiga | Dueottosei | 80C287
